# Allegro board Try it by yourself - iMX6Rex module - Create Class and Assign Color.brd (continued)
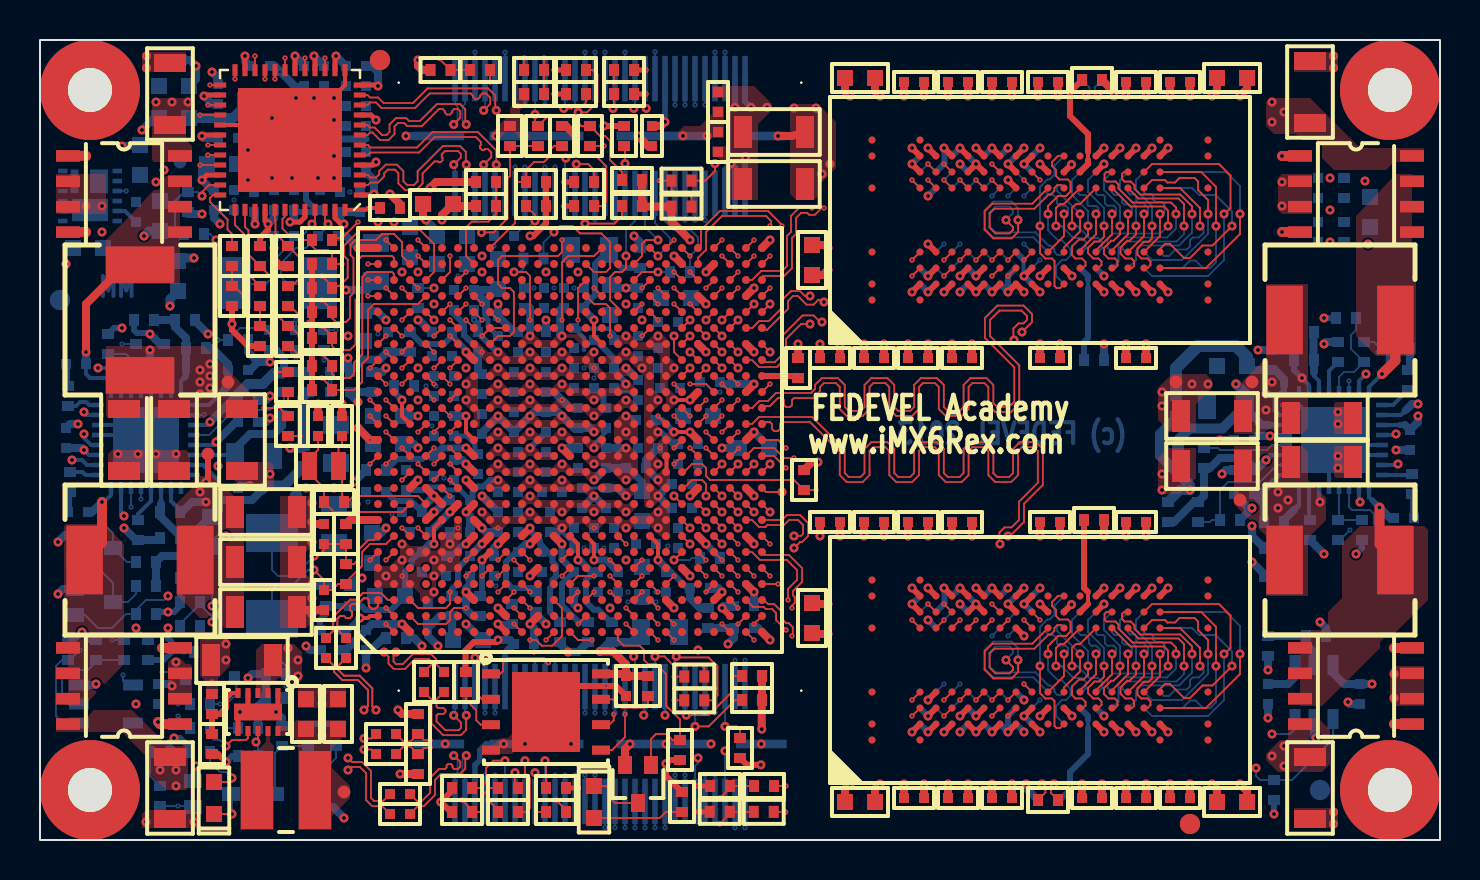
[diagram p0: board, top side]
## Routing (per net, layer and track width the routed paths; a pad name or vN(x,y) marks a point on that pad's centre or on a via; arc(x,y) is an arc through that point) (continued)
  BOTTOM w0.093: v5(45.6,32.6) v6(46,33)
DRAM_D48: length 17.1
  TOP w0.093: v2(46,33) v3(46.4,32.6) ; U1.AC22 v2(34.9,27.6)
  L2 w0.1: v2(46,33) v3(46.4,32.6) ; v3(34.6,27.9) v2(34.9,27.6)
  L3 w0.08: v3(46.4,32.6) 46.4,32.7 46.04,33.06 45.54,33.06 45.37,32.89 44.62,32.89 44.54,32.8 40.1,32.8 39.6,32.3 37.6,32.3 34.91,29.62 34.91,28.22 v3(34.6,27.9)
DRAM_D49: length 17.1
  TOP w0.093: U1.AE22 v2(36.5,27.6) ; v2(45.2,28.2) v3(45.6,28.6)
  L2 w0.1: v2(36.5,27.6) v3(36.8,27.3) ; v2(45.2,28.2) v3(45.6,28.6)
  L3 w0.08: v3(36.8,27.3) 37.1,27 37.52,27 37.72,27.2 37.72,27.43 37.87,27.58 38.66,27.58 38.93,27.3 39.33,27.3 40.23,26.4 42.5,26.4 42.65,26.55 42.65,27.45 42.8,27.6 43.05,27.6 43.2,27.45 43.2,26.55 43.35,26.4 43.6,26.4 43.75,26.55 43.75,26.97 43.92,27.14 44.12,27.14 44.3,26.97 44.3,26.5 44.45,26.35 44.7,26.35 44.82,26.48 44.82,27.93 45,28.1 45.5,28.1 45.6,28.2 v3(45.6,28.6)
DRAM_D50: length 17.1
  TOP w0.093: U1.AE24 v2(36.5,29.2) ; v2(45.2,29) v3(45.6,29.4)
  L2 w0.1: v2(45.2,29) v3(45.6,29.4) ; v3(36.2,28.9) v2(36.5,29.2)
  L3 w0.08: v3(45.6,29.4) 45.28,29.09 44.93,29.09 44.68,29.34 44.43,29.34 44.28,29.19 44.28,28.99 43.61,28.32 43.23,28.32 43.02,28.1 41.2,28.1 41.05,27.95 41.05,27.65 41.2,27.5 42,27.5 42.15,27.35 42.15,27.05 42,26.9 40.5,26.9 39.5,27.9 39.02,27.9 38.82,28.1 37.7,28.1 37.5,28.3 36.05,28.3 35.8,28.55 35.8,28.7 36,28.9 v3(36.2,28.9)
DRAM_D51: length 17.2
  TOP w0.093: v3(44.8,33.4) v2(44.4,33.8) ; v2(34.1,29.2) U1.AC24
  L2 w0.1: v2(44.4,33.8) v3(44.8,33.4) ; v3(33.8,28.9) v2(34.1,29.2)
  L3 w0.08: v3(44.8,33.4) 44.85,33.4 45.05,33.6 45.05,34.05 44.87,34.22 43.37,34.22 43.1,34.5 39.67,34.5 38.27,33.1 37.14,33.1 34.1,30.06 v2(34.1,29.2) v3(33.8,28.9)
DRAM_D52: length 17.2
  TOP w0.093: U1.AB22 v2(34.1,27.6) ; v2(43.6,33) U4.A7
  L2 w0.1: v3(43.2,33.4) v2(43.6,33) ; v2(34.1,27.6) v3(34.4,27.3)
  L3 w0.08: v3(34.4,27.3) 34.3,27.4 34.3,29.8 37.33,32.83 39.21,32.83 39.47,33.1 39.47,33.24 40.38,34.15 41.85,34.15 42,34 42,33.5 42.15,33.35 42.45,33.35 42.6,33.5 42.6,33.9 42.75,34.05 43.05,34.05 43.2,33.9 v3(43.2,33.4)
DRAM_D53: length 17.2
  TOP w0.093: v3(45.6,33.4) v2(45.2,33.8) ; U1.AC23 v2(34.9,28.4)
  L2 w0.1: v2(45.2,33.8) v3(45.6,33.4) ; v3(34.6,28.7) v2(34.9,28.4)
  L3 w0.08: v3(34.6,28.7) 34.6,29.7 37.47,32.57 39.37,32.57 39.8,33 39.8,33.12 40.18,33.5 40.5,33.5 40.75,33.25 40.95,33.25 41.1,33.4 41.1,33.8 41.25,33.95 41.55,33.95 41.7,33.8 41.7,33.3 41.9,33.1 45.3,33.1 v3(45.6,33.4)
DRAM_D54: length 17.1
  TOP w0.093: v2(43.6,29) v3(44,29.4) ; U1.AD25 v2(35.7,30)
  L2 w0.1: v2(43.6,29) v3(44,29.4) ; v2(35.7,30) v3(36,29.7)
  L3 w0.08: v3(44,29.4) 44,29 43.85,28.85 43.6,28.85 43.45,29 43.45,29.5 43.3,29.65 43.05,29.65 42.9,29.5 42.9,28.7 42.75,28.55 42.5,28.55 42.35,28.7 42.35,29.5 42.2,29.65 41.95,29.65 41.8,29.5 41.8,28.7 41.65,28.55 41.4,28.55 41.25,28.7 41.25,29.5 41.1,29.65 40.85,29.65 40.7,29.5 40.7,29.1 40.55,28.95 40.3,28.95 40.15,29.1 40.15,29.25 40,29.4 39.75,29.4 39.6,29.25 39.6,29 39.47,28.87 39.22,28.87 39.1,29 39.1,29.37 38.7,29.77 38.1,29.77 37.87,30 37.1,30 36.55,29.45 36.15,29.45 36,29.6 v3(36,29.7)
DRAM_D55: length 17.1
  TOP w0.093: U1.AC25 v2(34.9,29.2) ; v2(43.6,28.2) U4.A2
  L2 w0.1: v3(43.2,28.6) v2(43.6,28.2) ; v2(34.9,29.2) v3(35.2,29.5)
  L3 w0.08: v3(35.2,29.5) 35.4,29.7 35.6,29.7 36.05,29.25 36.25,29.25 36.5,29 36.5,28.8 36.65,28.65 36.95,28.65 37.1,28.8 37.1,29.6 37.25,29.75 37.55,29.75 37.7,29.6 37.7,28.5 37.85,28.35 38.15,28.35 38.3,28.5 38.3,29.3 38.45,29.45 38.74,29.45 38.89,29.3 38.89,28.48 39.24,28.13 39.66,28.13 40.33,27.45 40.57,27.45 40.75,27.63 40.75,27.87 40.3,28.32 40.3,28.57 40.48,28.74 40.72,28.74 41.11,28.35 42.95,28.35 v3(43.2,28.6)
DRAM_D56: length 25
  TOP w0.093: v2(46.8,29) v3(47.2,29.4) ; U1.AB25 v2(34.1,30)
  L2 w0.1: v2(46.8,29) v3(47.2,29.4) ; v3(33.8,29.7) v2(34.1,30)
  L3 w0.08: v3(47.2,29.4) 47.2,28.8 47,28.6 46.6,28.6 46.37,28.38 46.37,28.04 46.62,27.8 46.97,27.8 47.2,27.58 47.2,26.9 46.96,26.66 46.64,26.66 46.4,26.9 46.4,27.53 46.16,27.78 45.84,27.78 45.6,27.53 45.6,26.25 45.35,26 40.1,26 39.57,26.53 36.76,26.53 36.66,26.43 36.34,26.43 36.07,26.69 36.07,26.96 35.86,27.18 34.76,27.18 34.6,27.02 34.28,27.02 33.88,27.41 33.88,28.35 33.51,28.72 33.51,29.02 33.8,29.3 v3(33.8,29.7)
DRAM_D57: length 25
  TOP w0.093: v2(32.5,26.8) U1.AA21 ; v2(48.4,28.2) v3(48.8,28.6)
  L2 w0.1: v2(48.4,28.2) v3(48.8,28.6) ; v2(32.5,26.8) v3(32.8,26.5)
  L3 w0.08: v3(32.8,26.5) 32.93,26.38 34.26,26.38 34.47,26.16 34.47,25.85 34.7,25.63 36.87,25.63 37.32,25.18 46.4,25.18 47.4,26.18 47.77,26.18 47.9,26.05 49.65,26.05 49.9,26.3 49.9,26.8 50.1,27 50.4,27 50.7,27.3 50.7,28.2 50.3,28.6 v3(48.8,28.6)
DRAM_D58: length 25
  TOP w0.093: U1.Y25 v2(32.5,29.2) ; v2(49.2,33) v3(49.6,32.6)
  L2 w0.1: v3(32.2,29.5) v2(32.5,29.2) ; v2(49.2,33) v3(49.6,32.6)
  L3 w0.08: v3(32.2,29.5) 32.53,29.5 32.87,29.84 32.87,30.68 36.7,34.5 37.8,34.5 39.4,36.1 47.48,36.1 48.82,34.76 48.82,33.38 v3(49.6,32.6)
DRAM_D59: length 25
  TOP w0.093: v2(31.7,27.6) U1.Y22 ; v2(47.6,33) v3(48,32.6)
  L2 w0.1: v2(31.7,27.6) v3(32,27.3) ; v2(47.6,33) v3(48,32.6)
  L3 w0.08: v3(32,27.3) 32.3,27.3 32.51,27.51 32.51,27.7 32.31,27.9 32.31,28.52 33.3,29.5 33.3,30.26 36.94,33.9 37.9,33.9 39.5,35.5 46.75,35.5 47.2,35.05 47.2,33.4 v3(48,32.6)
DRAM_D60: length 25
  TOP w0.093: v2(49.2,29) v3(49.6,29.4) ; v2(33.3,27.6) U1.AB23
  L2 w0.1: v2(49.2,29) v3(49.6,29.4) ; v2(33.3,27.6) v3(33.6,27.9)
  L3 w0.08: v3(49.6,29.4) 49.8,29.6 50.2,29.6 50.45,29.35 50.45,29.15 50.18,28.89 47.78,28.89 47.6,28.7 47.6,28 48,27.6 48,27.2 47.5,26.7 47.3,26.7 47,26.4 46.59,26.4 45.89,25.7 40,25.7 39.4,26.3 38.3,26.3 38.1,26.1 38.1,25.8 37.95,25.65 37.65,25.65 37.07,26.22 35.74,26.22 35.16,26.8 34.2,26.8 33.6,27.4 v3(33.6,27.9)
DRAM_D61: length 25
  TOP w0.093: v2(47.6,28.2) v3(48,28.6) ; v2(32.5,28.4) U1.AA23
  L2 w0.1: v2(47.6,28.2) v3(48,28.6) ; v2(32.5,28.4) v3(32.8,28.1)
  L3 w0.08: v3(48,28.6) 48.77,27.83 49.36,27.83 49.62,27.56 49.62,26.43 49.45,26.25 49.15,26.25 49,26.4 49,26.8 48.85,26.95 48.55,26.95 48.4,26.8 48.4,26.45 48.28,26.33 48.1,26.33 47.93,26.5 47.4,26.5 47.05,26.15 46.85,26.15 46.12,25.43 37.5,25.43 36.91,26.01 35.42,26.01 34.84,26.59 34.04,26.59 33.4,27.23 33.4,27.5 v3(32.8,28.1)
DRAM_D62: length 25
  TOP w0.093: v3(48,33.4) v2(47.6,33.8) ; v2(31.7,28.4) U1.Y23
  L2 w0.1: v2(31.7,28.4) v3(32,28.1) ; v2(47.6,33.8) v3(48,33.4)
  L3 w0.08: v3(32,28.1) 31.8,28.1 31.65,28.25 31.65,28.65 31.8,28.8 32.2,28.8 33.1,29.7 33.1,30.49 36.81,34.2 37.87,34.2 39.47,35.8 47.3,35.8 48,35.1 48,34.4 47.7,34.1 47.7,33.6 47.9,33.4 v3(48,33.4)
DRAM_D63: length 25
  TOP w0.093: v3(49.6,33.4) v2(50,33) ; U1.W25 v2(31.7,30)
  L2 w0.1: v3(49.6,33.4) v2(50,33) ; v2(31.7,30) v3(32,30.3)
  L3 w0.08: v3(49.6,33.4) 49.6,33.93 49.75,34.08 49.75,34.32 49.6,34.47 49.6,35.1 49.4,35.3 48.7,35.3 48.5,35.5 48.5,36.15 48.25,36.4 39.3,36.4 37.7,34.8 36.59,34.8 32.09,30.3 v3(32,30.3)
DRAM_DQM0: length 17.3
  TOP w0.093: v2(46,7) v3(46.4,7.4) ; U1.AC3 v2(34.9,11.6)
  L2 w0.1: v3(34.6,11.3) v2(34.9,11.6) ; v2(46,7) v3(46.4,7.4)
  L3 w0.08: v3(34.6,11.3) 34.6,11.27 35.2,10.67 35.45,10.67 36.12,9.99 36.12,9.84 36.34,9.63 36.49,9.63 37.12,9 38.7,9 39.6,8.1 39.6,7.3 39.8,7.1 41.75,7.1 41.9,6.95 42.3,6.95 42.92,7.58 44.64,7.58 44.81,7.4 45.2,7.4 45.48,7.69 45.72,7.69 45.88,7.52 45.88,7.22 46,7.1 46.2,7.1 46.4,7.3 v3(46.4,7.4)
DRAM_DQM1: length 27.6
  TOP w0.093: U1.AC6 v2(34.9,14) ; v3(47.2,10.6) v2(47.6,11)
  L2 w0.1: v3(34.6,14.3) v2(34.9,14) ; v3(47.2,10.6) v2(47.6,11)
  L3 w0.08: v3(47.2,10.6) 47.5,10.6 47.71,10.82 47.71,11.5 47.5,11.71 47.5,11.97 47.97,12.44 47.97,12.71 48.24,12.98 49.36,12.98 49.52,12.82 49.68,12.82 49.84,12.98 50.2,12.98 50.42,12.75 50.42,12.6 50.57,12.45 50.82,12.45 50.98,12.6 50.98,13.73 50.65,14.05 48.91,14.05 48.46,13.6 47.6,13.6 47.15,14.05 39.05,14.05 38.53,13.53 37.32,13.53 37.05,13.8 36.82,13.8 36.4,14.23 35.72,14.23 35.3,13.8 34.8,13.8 34.6,14 v3(34.6,14.3)
DRAM_DQM2: length 28.5
  TOP w0.093: U1.AB8 v1(34.1,15.6)
  L10 w0.08: v5(48,6.6) 48.05,6.65 48.3,6.65 48.45,6.5 48.45,6.25 48.3,6.1 47.7,6.1 47.17,5.58 47.17,4.63 46.35,3.8 40.3,3.8 39.3,4.8 39.3,6.5 39.15,6.65 38.85,6.65 38.7,6.5 38.7,6.1 38.55,5.95 38.25,5.95 37.1,7.1 37.1,8.87 36.1,9.87 36.1,10.62 34.9,11.82 34.9,13.3 34.2,14 34.2,14.37 34.47,14.64 34.47,14.96 34.1,15.33 v1(34.1,15.6)
  L11 w0.1: v6(47.6,7) v5(48,6.6)
  BOTTOM w0.093: U3.E7 v6(47.6,7)
DRAM_DQM3: length 19.8
  TOP w0.093: v1(37.1,17.4) 36.3,17.4 U1.AE10
  L10 w0.08: v1(37.1,17.4) 37.4,17.4 38,16.8 38,16.3 38.72,15.58 40.16,15.58 40.37,15.36 40.37,14.78 40.95,14.2 41.25,14.2 41.8,13.65 41.8,13.15 42.15,12.8 42.74,12.8 43,12.54 43,11.5 43.71,10.79 43.71,10.48 44.1,10.1 44.6,10.1 44.75,10.25 44.75,10.85 44.9,11 45.15,11 45.3,10.85 45.3,10.2 45.5,10 46.1,10 46.5,9.6 46.8,9.6 47,9.8 47,10.3 46.7,10.6 v5(46.4,10.6)
  L11 w0.1: v5(46.4,10.6) v6(46.8,11)
  BOTTOM w0.093: v5(46.4,10.6) v6(46.8,11)
DRAM_DQM4: length 31.9
  TOP w0.093: U1.AB18 v1(34.1,23.6)
  L10 w0.08: v5(47.2,29.4) v6(47.6,29) 48.1,29 48.4,28.7 48.4,28.06 48.02,27.68 48.02,27.29 47.76,27.03 47.62,27.03 46,25.4 46,24.6 45.07,23.68 43.27,23.68 42.77,23.17 42.77,21.17 42.35,20.75 36.75,20.75 36.4,21.1 33.67,21.1 33.45,21.32 33.45,22.5 33.3,22.65 33.05,22.65 32.9,22.5 32.9,21.2 32.75,21.05 32.25,21.05 32.1,21.2 32.1,22.8 32.3,23 33.51,23 34.1,23.59 v1(34.1,23.6)
  L11 w0.1: v5(47.2,29.4) v6(47.6,29)
  BOTTOM w0.093: v5(47.2,29.4) v6(47.6,29)
DRAM_DQM5: length 18.4
  TOP w0.093: U1.AC20 v1(34.9,26)
  L10 w0.08: v5(46.4,32.6) 46.11,32.32 45.18,32.32 44.92,32.57 43.63,32.57 43.28,32.93 40.32,32.93 39.7,32.3 38.7,32.3 36.9,30.5 36.9,29.87 36.66,29.63 36.02,29.63 34.9,28.5 34.9,27.22 35.1,27.03 35.1,26.76 34.9,26.56 v1(34.9,26)
  L11 w0.1: v5(46.4,32.6) v6(46.8,33)
  BOTTOM w0.093: v5(46.4,32.6) v6(46.8,33)
DRAM_DQM6: length 17.1
  TOP w0.093: U1.AD24 v2(35.7,29.2) ; v2(46,29) v3(46.4,29.4)
  L2 w0.1: v2(46,29) v3(46.4,29.4) ; v3(35.4,28.9) v2(35.7,29.2)
  L3 w0.08: v3(35.4,28.9) 35.4,28.3 35.71,27.99 36.09,27.99 36.5,27.59 37.15,27.59 37.4,27.84 38.75,27.84 38.98,27.6 39.4,27.6 40.35,26.65 42.15,26.65 42.4,26.9 42.4,27.7 42.57,27.87 43.87,27.87 44,28 44,28.33 44.24,28.58 44.56,28.58 44.73,28.4 45,28.4 45.48,28.89 45.88,28.89 46.07,28.7 46.3,28.7 46.5,28.9 46.5,29.3 v3(46.4,29.4)
DRAM_DQM7: length 25
  TOP w0.093: v2(46.8,33) v3(47.2,32.6) ; v2(31.7,26.8) U1.Y21
  L2 w0.1: v2(31.7,26.8) v3(32,26.5) ; v2(46.8,33) v3(47.2,32.6)
  L3 w0.08: v3(32,26.5) 32.3,26.5 33,27.2 33,27.5 32.51,27.98 32.51,28.32 33.51,29.32 33.51,30.1 37.02,33.6 38,33.6 39.6,35.2 46,35.2 46.4,34.8 46.4,34.47 46.58,34.28 46.58,34.12 46.4,33.93 46.4,33.4 46.6,33.2 47,33.2 47.2,33 v3(47.2,32.6)
DRAM_DQS0_N: length 17.4
  TOP w0.09: U1.AD3 35.64,11.66 36.19,11.66 36.3,11.55 36.6,11.55 36.8,11.35 36.8,11 v2(37.3,10.5) ; v3(44.8,10.6) v2(45.2,11)
  L2 w0.1: v2(37.3,10.5) v3(37.6,10.8) ; v3(44.8,10.6) v2(45.2,11)
  L3 w0.085: v3(44.8,10.6) 45,10.6 45.2,10.4 45.2,10.2 44.8,9.8 44.8,9.62 44.6,9.42 44.3,9.42 44.1,9.62 44.1,10.02 43.79,10.33 43.25,10.33 42.94,10.02 42.94,9.7 42.79,9.55 42.49,9.55 42.34,9.7 42.34,10.56 42.03,10.87 41.49,10.87 41.18,10.56 41.18,9.8 41.03,9.65 40.73,9.65 40.58,9.8 40.58,10.31 39.94,10.95 39.03,10.95 38.71,11.27 38.1,11.27 37.62,10.8 v3(37.6,10.8)
DRAM_DQS0_P: length 17.4
  TOP w0.09: v2(37.6,10.2) 37.64,10.24 37.64,10.64 37.44,10.84 37.31,10.84 37.05,11.1 37.05,11.45 36.7,11.8 36.4,11.8 36.2,12 U1.AE3 ; v3(45.6,10.6) v2(46,11)
  L2 w0.1: v2(37.6,10.2) v3(37.9,10.5) ; v3(45.6,10.6) v2(46,11)
  L3 w0.085: v3(45.6,10.6) 45.6,10.2 45.08,9.68 45.08,9.5 44.72,9.14 44.18,9.14 43.82,9.5 43.82,9.9 43.67,10.05 43.37,10.05 43.22,9.9 43.22,9.58 42.91,9.27 42.37,9.27 42.06,9.58 42.06,10.44 41.91,10.59 41.61,10.59 41.46,10.44 41.46,9.68 41.15,9.37 40.61,9.37 40.3,9.68 40.3,10.19 39.82,10.67 38.92,10.67 38.59,10.99 38.21,10.99 37.97,10.75 37.97,10.57 v3(37.9,10.5)
DRAM_DQS1_N: length 27.6
  TOP w0.09: U1.AE6 36.25,14.25 37.45,14.25 38.1,13.6 38.1,12.9 37.65,12.45 37.65,12.23 37.74,12.14 37.74,11.86 37.6,11.72 v2(37.6,11.6) ; v2(48.4,7) v3(48.8,7.4)
  L2 w0.1: v2(48.4,7) v3(48.8,7.4) ; v3(37.3,11.3) v2(37.6,11.6)
  L3 w0.085: v3(37.3,11.3) 36.97,11.3 36.84,11.17 36.84,10.59 37.33,10.1 39,10.1 40.38,8.72 40.38,8.5 40.8,8.08 42,8.08 42.5,8.58 45.32,8.58 45.84,9.1 45.84,9.67 46.15,9.98 46.69,9.98 47,9.67 47,8.8 47.15,8.65 47.45,8.65 47.62,8.82 47.62,9.52 47.92,9.82 49.28,9.82 49.63,9.46 49.63,8.74 49.22,8.32 48.77,8.32 48.4,7.95 48.4,7.5 48.5,7.4 v3(48.8,7.4)
DRAM_DQS1_P: length 27.6
  TOP w0.09: v2(37.4,12) 37.4,12.55 37.85,13 37.85,13.5 37.35,14 36,14 35.6,14.4 U1.AD6 ; v2(47.6,7) v3(48,7.4)
  L2 w0.1: v2(47.6,7) v3(48,7.4) ; v3(37.1,11.7) v2(37.4,12)
  L3 w0.085: v3(48,7.4) 48.12,7.52 48.12,8.07 48.65,8.6 49.1,8.6 49.35,8.85 49.35,9.35 49.16,9.54 48.03,9.54 47.9,9.4 47.9,8.7 47.57,8.37 47.03,8.37 46.72,8.68 46.72,9.55 46.57,9.7 46.27,9.7 46.12,9.55 46.12,8.98 45.44,8.3 42.62,8.3 42.12,7.8 40.68,7.8 40.1,8.38 40.1,8.6 38.88,9.82 37.22,9.82 36.56,10.48 36.56,11.28 36.98,11.7 v3(37.1,11.7)
DRAM_DQS2_N: length 28.6
  TOP w0.09: v1(37.7,14.6) 37.71,14.6 38.01,14.9 38.1,14.9 38.4,15.2 38.4,15.85 38,16.25 37.35,16.25 37.1,16 U1.AE8
  L10 w0.085: v1(37.7,14.6) 37.75,14.55 39.35,14.55 39.63,14.28 39.63,14.06 38.7,13.14 38.7,12.66 39.04,12.32 39.52,12.32 40.35,13.14 40.59,13.14 40.77,12.97 40.77,12.72 40,11.96 40,11.48 40.34,11.13 40.92,11.13 41.52,11.73 41.86,11.73 42,11.6 42,11.3 41.5,10.8 41.5,10.23 41.84,9.88 43.01,9.88 43.8,9.1 45.6,9.1 46.12,8.58 46.12,8.23 46.55,7.8 47.49,7.8 47.88,8.18 47.88,9.78 48.1,10 48.47,10 48.7,10.23 48.7,10.5 v5(48.8,10.6)
  L11 w0.1: v6(48.4,10.2) v5(48.8,10.6)
  BOTTOM w0.09: v6(48.4,10.2) v5(48.8,10.6)
DRAM_DQS2_P: length 28.6
  TOP w0.09: v1(37.7,15.2) 38.05,15.2 38.15,15.3 38.15,15.75 37.9,16 37.45,16 37.2,15.75 36.37,15.75 36.27,15.65 35.95,15.65 35.6,16 U1.AD8
  L10 w0.085: v5(48,10.6) 48.3,10.6 48.42,10.48 48.42,10.35 48.35,10.28 47.98,10.28 47.6,9.89 47.6,8.3 47.38,8.08 46.67,8.08 46.4,8.35 46.4,8.7 45.72,9.38 43.91,9.38 43.13,10.16 41.95,10.16 41.78,10.34 41.78,10.68 42.28,11.18 42.28,11.72 41.98,12.01 41.4,12.01 40.8,11.41 40.46,11.41 40.28,11.59 40.28,11.84 41.05,12.61 41.05,13.08 40.71,13.42 40.23,13.42 39.4,12.6 39.16,12.6 38.98,12.77 38.98,13.02 39.91,13.95 39.91,14.39 39.47,14.83 38.12,14.83 37.75,15.2 v1(37.7,15.2)
  L11 w0.1: v6(47.6,10.2) v5(48,10.6)
  BOTTOM w0.09: v6(47.6,10.2) v5(48,10.6)
DRAM_DQS3_N: length 19.9
  TOP w0.09: U1.AB10 v1(34.1,17.2)
  L10 w0.085: v1(34.1,17.2) 34.1,17.22 34.31,17.43 34.31,17.74 34.6,18.03 35.87,18.03 37.33,16.57 37.33,14.37 37.78,13.92 37.78,12.84 40.1,10.52 40.38,10.52 40.75,10.15 40.75,9.87 41.52,9.1 42.7,9.1 43.42,8.38 44.92,8.38 45.1,8.2 v5(45.6,8.2)
  L11 w0.1: v6(45.2,7.8) v5(45.6,8.2)
  BOTTOM w0.09: U3.B7 v6(45.2,7.8)
DRAM_DQS3_P: length 19.9
  TOP w0.09: U1.AC10 v1(34.9,17.2)
  L10 w0.085: v5(45.6,7.4) 45.6,7.67 45.35,7.92 44.98,7.92 44.8,8.1 43.3,8.1 42.59,8.82 41.4,8.82 40.47,9.75 40.47,10.03 40.27,10.24 39.98,10.24 37.5,12.72 37.5,13.8 37.05,14.25 37.05,16.45 35.75,17.75 34.72,17.75 34.59,17.62 34.59,17.42 34.81,17.2 v1(34.9,17.2)
  L11 w0.1: v5(45.6,7.4) v6(46,7.8)
  BOTTOM w0.09: v5(45.6,7.4) v6(46,7.8)
DRAM_DQS4_N: length 32
  TOP w0.09: v1(39.1,25.9) 39.01,25.9 38.68,26.23 38.13,26.23 37.05,25.15 37.05,24.2 36.75,23.9 36.2,23.9 U1.AE18
  L10 w0.085: v1(39.1,25.9) 38.12,26.88 38.12,27.12 37.65,27.58 36.62,27.58 36.47,27.73 36.47,28.03 36.62,28.18 37.58,28.18 38.08,28.68 38.08,29.28 39.24,30.44 39.24,30.96 39.39,31.11 39.69,31.11 39.84,30.96 39.84,29.66 40.15,29.35 40.69,29.35 41,29.66 41,31.58 41.15,31.73 41.45,31.73 41.6,31.58 41.6,30.5 41.91,30.19 42.45,30.19 42.76,30.5 42.76,31.26 43.05,31.55 45.35,31.55 45.7,31.2 45.7,30.7 46.01,30.39 46.55,30.39 46.86,30.7 46.86,31.36 47.25,31.75 48,31.75 48.48,32.23 48.48,32.4 48.68,32.6 v5(48.8,32.6)
  L11 w0.1: v6(48.4,32.2) v5(48.8,32.6)
  BOTTOM w0.09: v6(48.4,32.2) v5(48.8,32.6)
DRAM_DQS4_P: length 32
  TOP w0.09: U1.AD18 35.6,24 35.95,23.65 36.85,23.65 37.3,24.1 37.3,25.05 38.05,25.8 v1(38.5,25.8)
  L10 w0.085: v5(48,32.6) 48.1,32.6 48.2,32.5 48.2,32.35 47.88,32.03 47.14,32.03 46.58,31.48 46.58,30.82 46.43,30.67 46.13,30.67 45.98,30.82 45.98,31.32 45.46,31.83 42.93,31.83 42.48,31.38 42.48,30.62 42.33,30.47 42.03,30.47 41.88,30.62 41.88,31.7 41.57,32.01 41.03,32.01 40.72,31.7 40.72,29.78 40.57,29.63 40.27,29.63 40.12,29.78 40.12,31.08 39.81,31.39 39.27,31.39 38.96,31.08 38.96,30.56 37.8,29.4 37.8,28.8 37.46,28.46 36.5,28.46 36.19,28.15 36.19,27.61 36.5,27.3 37.54,27.3 37.84,27 37.84,26.77 38.5,26.1 v1(38.5,25.8)
  L11 w0.1: v6(47.6,32.2) v5(48,32.6)
  BOTTOM w0.09: v6(47.6,32.2) v5(48,32.6)
DRAM_DQS5_N: length 18.5
  TOP w0.09: v1(39.2,26.9) 39.1,27 38.91,27 38.68,26.77 38.32,26.77 37.89,27.2 37.65,27.2 37.4,26.95 37.4,26.55 36.36,25.51 36.19,25.51 U1.AE20
  L10 w0.085: v5(44.8,29.4) 45.07,29.4 45.32,29.65 45.32,29.88 44.6,30.6 44.1,30.6 41.9,28.4 41.9,27.5 41.42,27.02 40.28,27.02 39.8,27.5 39.8,28.62 39.55,28.87 39.25,28.87 38.78,28.4 38.78,27.57 38.96,27.39 38.96,27.14 v1(39.2,26.9)
  L11 w0.1: v5(44.8,29.4) v6(45.2,29.8)
  BOTTOM w0.09: v5(44.8,29.4) v6(45.2,29.8)
DRAM_DQS5_P: length 18.5
  TOP w0.09: v1(38.5,27.2) 38.25,27.2 38,27.45 37.55,27.45 37.15,27.05 37.15,26.66 36.44,25.95 35.96,25.95 35.61,25.6 U1.AD20
  L10 w0.085: v5(45.6,29.4) 45.6,30 44.72,30.88 43.98,30.88 41.62,28.51 41.62,27.62 41.3,27.3 40.4,27.3 40.08,27.62 40.08,28.74 39.67,29.15 39.13,29.15 38.5,28.52 v1(38.5,27.2)
  L11 w0.1: v5(45.6,29.4) v6(46,29.8)
  BOTTOM w0.09: v5(45.6,29.4) v6(46,29.8)
DRAM_DQS6_N: length 17.2
  TOP w0.09: U1.AE23 36.1,28.14 36.16,28.21 37.21,28.21 37.6,28.59 37.6,30.1 37.8,30.3 37.8,31.1 38.06,31.36 38.36,31.36 38.46,31.26 38.74,31.26 39.08,31.6 v2(39.2,31.6) ; v2(44.4,33) v3(44.8,32.6)
  L2 w0.1: v3(38.9,31.9) v2(39.2,31.6) ; v2(44.4,33) v3(44.8,32.6)
  L3 w0.085: v3(38.9,31.9) 39.22,31.58 40.08,31.58 40.6,32.1 43.92,32.1 44.32,31.7 44.7,31.7 45.27,31.13 45.58,31.13 45.75,31.3 45.75,31.62 45.3,32.07 45.3,32.37 45.07,32.6 v3(44.8,32.6)
DRAM_DQS6_P: length 17.2
  TOP w0.09: v2(45.2,33) v3(45.6,32.6) ; v2(38.6,31.6) 38.59,31.61 37.96,31.61 37.55,31.2 37.55,30.4 37.35,30.2 37.35,28.7 37.11,28.46 36.06,28.46 35.6,28 U1.AD23
  L2 w0.1: v2(45.2,33) v3(45.6,32.6) ; v2(38.6,31.6) v3(38.9,31.3)
  L3 w0.085: v3(45.6,32.6) 45.58,32.58 45.58,32.19 46.03,31.74 46.03,31.18 45.7,30.85 45.15,30.85 44.58,31.42 44.2,31.42 43.91,31.71 43.8,31.82 40.72,31.82 40.2,31.3 v3(38.9,31.3)
DRAM_DQS7_N: length 25
  TOP w0.09: v2(48.4,29) v3(48.8,29.4) ; U1.AA24 32.9,29.11 33.3,29.51 33.3,30.4 34.1,31.2 36.3,31.2 36.55,30.95 36.55,30.75 v2(36.5,30.7)
  L2 w0.1: v2(36.5,30.7) v3(36.8,31) ; v2(48.4,29) v3(48.8,29.4)
  L3 w0.085: v3(48.8,29.4) 48.72,29.48 48.72,29.92 48.82,30.02 49.12,30.02 49.58,30.48 49.58,31.72 49.22,32.08 47.96,32.08 47.6,31.72 47.6,30.35 47.43,30.18 44.95,30.18 44.53,30.6 38.6,30.6 38.2,31 v3(36.8,31)
DRAM_DQS7_P: length 25
  TOP w0.09: v2(37.1,30.7) 37.1,30.76 36.41,31.45 33.99,31.45 33.05,30.51 33.05,29.75 U1.AA25 ; v2(47.6,29) v3(48,29.4)
  L2 w0.1: v2(47.6,29) v3(48,29.4) ; v3(36.8,30.4) v2(37.1,30.7)
  L3 w0.085: v3(36.8,30.4) 36.8,30.47 37.05,30.72 38.08,30.72 38.48,30.32 44.41,30.32 44.83,29.9 47.55,29.9 47.88,30.23 47.88,31.6 48.08,31.8 49.1,31.8 49.3,31.6 49.3,30.6 49,30.3 48.7,30.3 48.44,30.04 48.44,29.62 48.22,29.4 v3(48,29.4)
DRAM_RAS_B: length 70.1
  TOP w0.093: U4.J3 51.2,30.2 v1(51.2,31.3) ; U1.AB15 v2(34.1,22) ; v1(51.2,9.3) 51.2,8.2 U2.J3
  L2 w0.1: v3(33.8,21.7) v2(34.1,22)
  L3 w0.08: v3(33.8,21.7) 33.71,21.62 33.31,21.62 32.5,20.8 29.8,20.8 29.67,20.93 29.67,21.36 29.46,21.58 28.27,21.58 28.12,21.43 28.12,21.18 28.3,21 28.3,20.55 28.15,20.4 28.15,20.15 28.27,20.03 32.7,20.03 32.87,20.2 32.87,20.37 33.28,20.78 33.28,20.79 33.71,21.22 34,21.22 34.14,21.35 39.33,21.35 41.44,19.25 46.35,19.25 v4(46.5,19.1)
  L10 w0.08: v1(51.2,9.3) 51.2,9.6 52.53,10.93 52.53,12 52.25,12.28 52.25,13.35 50.98,14.63 50.76,14.63 50.42,14.96 50.42,15.31 50.13,15.6 49.82,15.6 49.17,16.25 47.05,16.25 46.8,16.5 46.8,17 46.95,17.15 47.65,17.15 47.8,17.3 47.8,17.55 47.65,17.7 46.95,17.7 46.8,17.85 46.8,18.53 46.5,18.83 v4(46.5,19.1) 46.5,19.2 47,19.7 47,22.4 47.55,22.95 48.68,22.95 49.96,24.22 50.24,24.22 50.57,24.56 50.57,25.11 52.53,27.07 52.53,29.07 51.2,30.41 v1(51.2,31.3)
  BOTTOM w0.093: v1(51.2,31.3) 51.27,31.3 51.4,31.43 51.4,31.6 51.28,31.72 50.97,31.72 50.85,31.84 50.85,32.07 50.67,32.25 50.43,32.25 50.32,32.37 50.32,32.52 U5.J3 ; v1(51.2,9.3) 51.27,9.3 51.4,9.43 51.4,9.6 51.28,9.72 50.97,9.72 50.85,9.84 50.85,10.07 50.67,10.25 50.43,10.25 50.32,10.37 50.32,10.52 U3.J3
DRAM_RESET_B: length 80.6
  TOP w0.093: v1(60,31.3) 60,30.3 58.3,28.6 U4.T2 ; U2.T2 58.3,6.6 60,8.3 v1(60,9.3) ; v1(31.7,14) U1.Y6
  L3 w0.08: v1(31.7,14) 31.7,14.53 32.39,15.23 35.12,15.23 35.3,15.4 37.37,15.4 37.54,15.58 55.56,15.58 57.1,17.12 57.1,17.7 57.6,18.2 58.3,18.2 58.9,18.8 59.2,18.8 v4(60.8,20.4)
  L10 w0.08: v1(60,9.3) 61.1,10.4 61.1,18.23 60.8,18.53 v4(60.8,20.4) 60.8,23.43 61.35,23.98 61.35,29.95 v1(60,31.3)
  BOTTOM w0.093: 31.8,14.1 v1(31.7,14) 32.5,14 32.6,14.1 R7.2 ; U3.T2 59.3,11.4 60,10.7 v1(60,9.3) ; v1(60,31.3) 60,32.7 59.3,33.4 U5.T2
DRAM_SDBA0: length 80.3
  TOP w0.093: U2.M2 52.8,6.63 ; 52.8,6.63 52.95,6.63 53.07,6.75 53.07,6.93 52.92,7.08 52.67,7.08 52.4,7.34 52.4,7.6 52.72,7.93 52.96,7.93 53.2,8.17 v1(53.2,8.7) ; 52.8,6.63 52.77,6.63 ; 52.77,28.63 52.8,28.63 ; 52.8,28.63 U4.M2 ; 52.8,28.63 52.95,28.63 53.07,28.75 53.07,28.93 52.92,29.08 52.67,29.08 52.4,29.34 52.4,29.6 52.72,29.93 52.96,29.93 53.2,30.17 v1(53.2,30.7) ; U1.AC15 v2(34.9,22)
  L2 w0.1: v3(34.6,21.7) v2(34.9,22)
  L3 w0.08: v4(49.28,19.3) 49.45,19.48 50.64,19.48 50.9,19.22 50.9,18.87 50.75,18.73 48.15,18.73 47.57,19.3 46.9,19.3 46.7,19.5 41.52,19.5 39.42,21.6 34.7,21.6 v3(34.6,21.7)
  L10 w0.08: v1(53.2,30.7) 53.2,30.52 55.97,27.74 55.97,27.24 55.03,26.3 53.65,26.3 53.5,26.15 53.5,25.9 53.65,25.75 54.25,25.75 54.4,25.6 54.4,25.35 54.25,25.2 52.6,25.2 52.4,25 52.4,24.55 52.55,24.4 53.15,24.4 53.3,24.25 53.3,24 53.15,23.85 52,23.85 51.85,23.7 51.85,23.45 52,23.3 52.67,23.3 52.82,23.15 52.82,22.9 52.67,22.75 52.05,22.75 51.9,22.6 51.9,21.47 50.76,20.33 50.53,20.33 50.38,20.18 50.38,19.77 50.23,19.62 49.98,19.62 49.83,19.77 49.83,20.18 49.68,20.33 49.43,20.33 49.28,20.18 v4(49.28,19.3) 49.48,19.1 50.9,19.1 51.05,18.95 51.05,18.7 50.9,18.55 49.3,18.55 49.15,18.4 49.15,17.65 49.3,17.5 49.55,17.5 49.7,17.65 49.7,17.9 49.85,18.05 50.1,18.05 50.25,17.9 50.25,17.4 50.4,17.25 50.65,17.25 50.8,17.4 50.8,17.9 50.95,18.05 51.2,18.05 51.35,17.9 51.35,16.48 52.17,15.66 52.17,15.41 52.38,15.2 52.65,15.2 53.02,15.58 53.36,15.58 53.57,15.36 53.57,14.98 53.1,14.5 53.1,14.23 53.31,14.02 53.58,14.02 53.86,14.3 54.13,14.3 54.34,14.09 54.34,13.82 54.11,13.59 54.11,13.32 54.43,13 54.95,13 55.17,12.78 55.17,11.61 53.2,9.63 v1(53.2,8.7)
  BOTTOM w0.093: v1(53.2,8.7) 53.2,9.6 52.4,10.4 52.4,11 U3.M2 ; v1(53.2,30.7) 53.2,31.6 52.4,32.4 52.4,33 U5.M2
DRAM_SDBA1: length 77.1
  TOP w0.093: v1(56.8,9.3) 56.8,9.63 56.55,9.88 54.62,9.88 53.92,10.58 53.92,10.78 53.77,10.93 53.33,10.93 53.22,11.03 53.22,11.3 53.33,11.4 U2.N8 ; U1.Y15 v2(32.5,21.2) ; v1(56.8,31.3) 56.8,31.63 56.55,31.88 54.62,31.88 53.92,32.58 53.92,32.78 53.77,32.93 53.33,32.93 53.22,33.03 53.22,33.3 53.33,33.4 U4.N8
  L2 w0.1: v3(32.2,21.5) v2(32.5,21.2)
  L3 w0.08: v4(54.9,21) 54.7,21.2 51.5,21.2 51.02,20.73 50.04,20.73 49.6,21.17 49.6,23.2 48.9,23.9 36.9,23.9 36.77,24.03 33.99,24.03 33.72,23.76 33.72,23.49 32.82,22.59 32.55,22.59 32.12,22.16 32.12,21.58 v3(32.2,21.5)
  L10 w0.08: v1(56.8,9.3) 56.8,9.95 58.45,11.6 58.45,17.37 56.6,19.22 56.6,19.33 54.93,21 v4(54.9,21) 54.72,21.18 54.72,21.43 54.9,21.6 55.08,21.6 55.32,21.36 55.57,21.36 55.67,21.46 55.67,21.73 55.38,22.02 55.38,22.21 58.8,25.63 58.8,28.55 56.8,30.55 v1(56.8,31.3)
  BOTTOM w0.093: v1(56.8,31.3) 56.8,30.57 56.36,30.13 54.22,30.13 53.92,29.83 53.92,28.93 U5.N8 ; v1(56.8,9.3) 56.8,8.57 56.36,8.13 54.22,8.13 53.92,7.83 53.92,6.93 U3.N8
DRAM_SDBA2: length 72.4
  TOP w0.093: v2(33.3,19.6) U1.AB12 ; v1(53.6,9.3) 53.6,8.28 52.8,7.48 U2.M3 ; v1(53.6,31.3) 53.6,30.28 52.8,29.48 U4.M3
  L2 w0.1: v2(33.3,19.6) v3(33.6,19.3)
  L3 w0.08: v4(52.5,17.5) 52.5,17.1 52.15,16.75 46.05,16.75 45.52,17.28 44.76,17.28 44.49,17 40.66,17 39.36,18.3 38.5,18.3 38.28,18.52 38.28,18.92 38.12,19.09 37.8,19.09 37.63,18.92 37.63,18.73 37.5,18.6 37.11,18.6 36.74,18.23 36.32,18.23 36.1,18 36.1,17 35.9,16.8 33.9,16.8 33.67,17.03 33.67,17.36 33.46,17.58 33.12,17.58 32.9,17.8 32.9,19 33.2,19.3 v3(33.6,19.3)
  L10 w0.08: v1(53.6,31.3) 53.6,30.47 55.87,28.2 56.13,28.2 56.77,27.56 56.77,27.24 54.67,25.14 54.67,24.64 53.1,23.07 53.1,22.85 52.1,21.85 52.1,21.3 51,20.2 51,19.6 52.6,18 52.6,17.6 v4(52.5,17.5) 52.45,17.45 51.9,17.45 51.75,17.3 51.75,17.05 51.9,16.9 53.5,16.9 53.65,16.75 53.65,16.5 53.5,16.35 52.35,16.35 52.2,16.2 52.2,15.95 52.35,15.8 53.8,15.8 54.15,16.15 54.15,16.4 54.3,16.55 54.55,16.55 54.7,16.4 54.7,15.7 54.57,15.58 54.14,15.58 53.92,15.36 53.92,15.04 54.14,14.83 54.47,14.83 54.6,14.7 54.6,13.5 54.9,13.2 55.53,13.2 55.97,12.76 55.97,12.04 53.6,9.67 v1(53.6,9.3)
  BOTTOM w0.093: U5.M3 52.8,32.33 52.88,32.25 53.17,32.25 53.25,32.17 53.25,31.84 53.37,31.72 53.68,31.72 53.8,31.6 53.8,31.43 53.67,31.3 v1(53.6,31.3) ; v1(53.6,9.3) 53.67,9.3 53.8,9.43 53.8,9.6 53.68,9.72 53.37,9.72 53.25,9.84 53.25,10.17 53.17,10.25 52.88,10.25 52.8,10.33 U3.M3
